# Altium PCB master.PcbDoc (part 3 of 10) (continued)
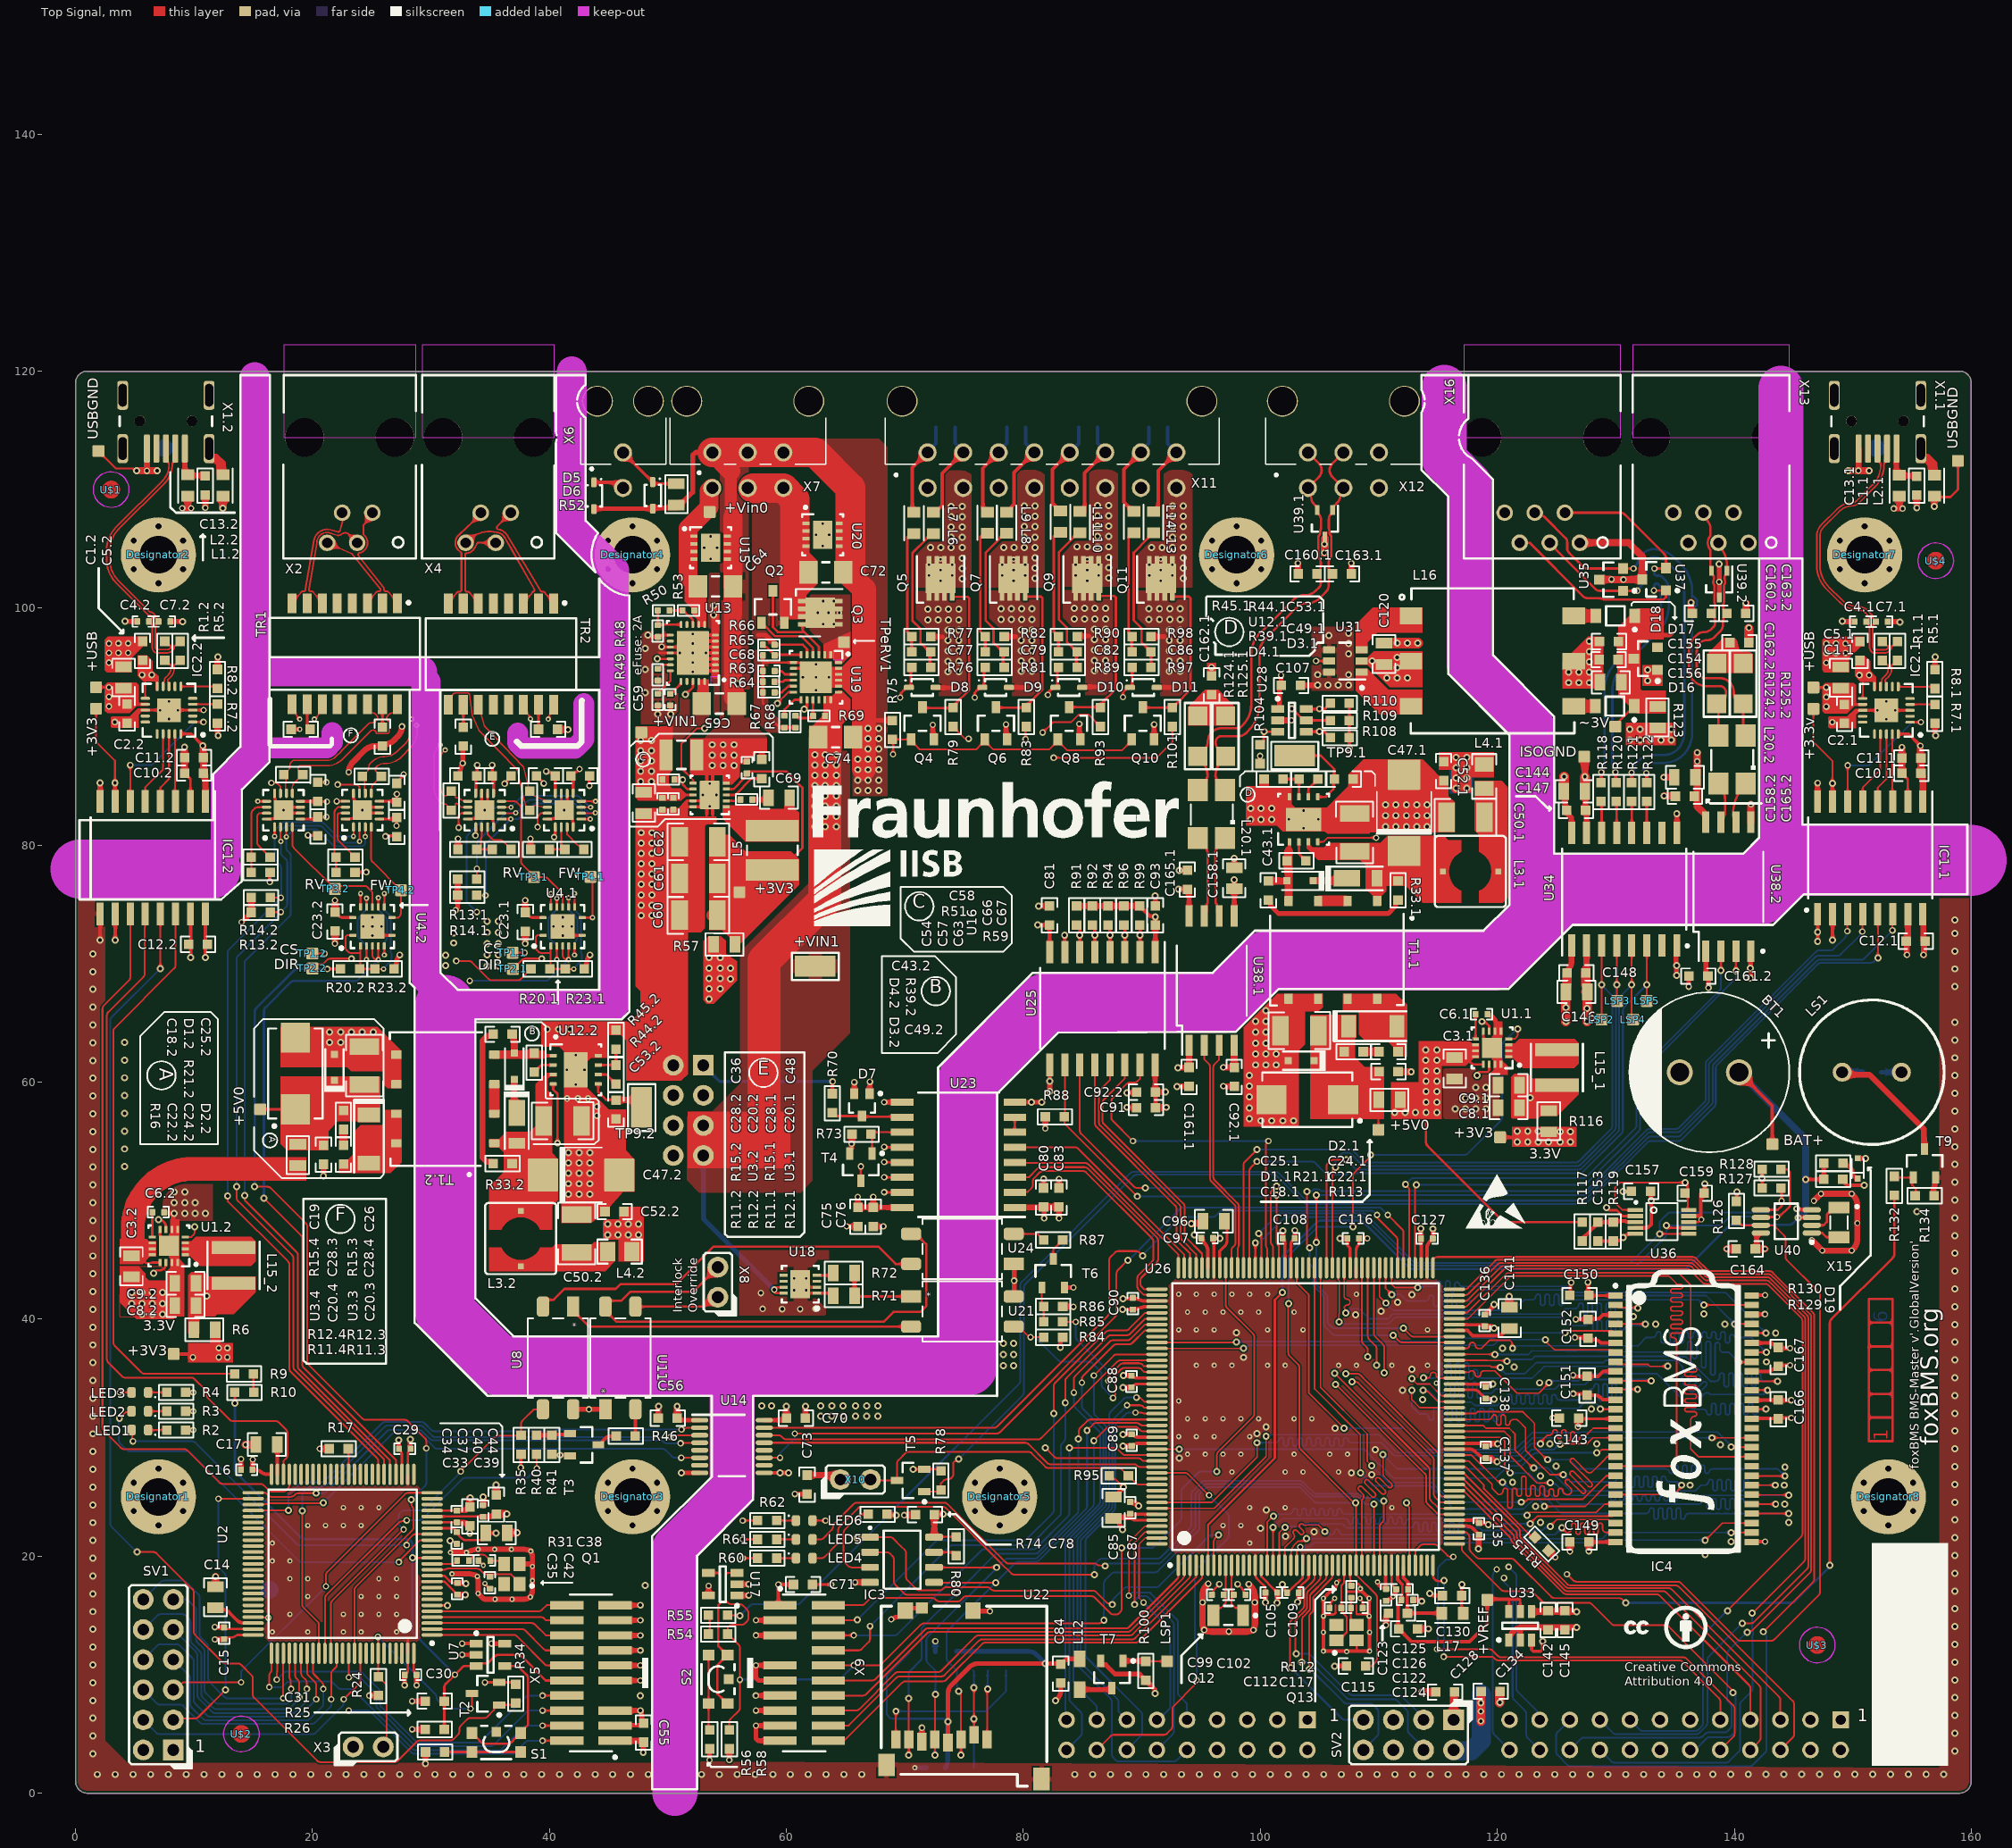
[diagram p0: Top Signal view]
## Part data (continued)
R40 R85 R132: library part gen_R_10R_0603, "SMD Resistor 10R 0603", Case EIA=0603, Case Metric=1608, Maximum Working Voltage=75V, Operating Temperature="-55°C - +155°C", PnP Package=R_0603, Power=0.1W, Supplier Part Number 1=2073361, Tolerance=1%, Automotive Qualified=False, Part Number=gen_R_10R_0603, PnP Value=10R, Resistance=10R, Series="E24, E96", Supplier 1=Farnell
R44.1 R44.2: library part CMP-0022036-4, "RES, 130 k, 1%, 0.1 W, AEC-Q200 Grade 0, 0603", Manufacturer=Vishay-Dale, Power_W=100mW, Supplier Part Number 1=541-130KHCT-ND, TempCo="100 ppm/C", Tolerance_%=1%, Value2=0.1W, Value_Code=130k, AEC Category=Q200, AEC Grade=0, AEC Qualified=Y, ComponentLink1Description="Datasheet link", ComponentLink1URL=http://www.vishay.com/docs/20035/dcrcwe3.pdf, CompType=Resistor, EIA_Code=E96, MountType=SMT, PackageReference=0603, PartNumber=CRCW0603130KFKEA, Res_ohm=130k, RoHS=E, SizeArea_mm2=1.28, SizeX_mm=1.6, SizeY_mm=0.8, SizeZ_mm=1, Supplier 1=Digi-Key, Supplier 2=Newark, Supplier 3=Mouser, Supplier Part Number 2=52K8127, Supplier Part Number 3=71-CRCW0603-130K-E3, Technology="Thick Film", Value1=1%, ValueDisplayed=130k, VDC_V=75V
R45.1 R45.2: library part CMP-0022030-3, "RES, 12.1 k, 1%, 0.1 W, 0603", Manufacturer=Vishay-Dale, Power_W=100mW, Supplier Part Number 1=541-12.1KHCT-ND, TempCo="100 ppm/C", Tolerance_%=1%, Value2=0.1W, Value_Code=12k1, ValueDisplayed=12.1k, AEC Category=Q200, AEC Qualified=?, ComponentLink1Description="Datasheet link", ComponentLink1URL=http://www.vishay.com/docs/20035/dcrcwe3.pdf, CompType=Resistor, EIA_Code=E96, LatestRevisionDate=2017-03-09, MountType=SMT, PackageReference=0603, PartNumber=CRCW060312K1FKEA, Published=2008-06-26, Publisher="Texas Instruments", Res_ohm=12.1k, RoHS=Y, SizeArea_mm2=1.28, SizeX_mm=1.6, SizeY_mm=0.8, SizeZ_mm=1, Supplier 1=Digi-Key, Supplier 2=Newark, Supplier 3=Mouser, Supplier Part Number 2=52K8105, Supplier Part Number 3=71-CRCW0603-12.1K-E3, Technology="Thick Film", U/M=EA, Value1=1%, VDC_V=75V
R46 R87: library part gen_R_430R_0603, "SMD Resistor 430R 0603", Case EIA=0603, Case Metric=1608, Maximum Working Voltage=75V, Operating Temperature="-55°C - +155°C", PnP Package=R_0603, Power=0.1W, Supplier Part Number 1=2074259, Tolerance=1%, Automotive Qualified=False, Part Number=gen_R_430R_0603, PnP Value=430R, Resistance=430R, Series=E24, Supplier 1=Farnell
R47: library part gen_R_10K7_0402, "SMD Resistor 10.7k 0402", Case EIA=0402, Case Metric=1005, Operating Temperature="-55°C - +155°C", Part Number=gen_R_10.7k_0402, PnP Package=R_0402, Automotive Qualified=False, PnP Value=10.7k
R49 R63: library part gen_R_26k1_0402, "SMD Resistor 26.1k 0402", Case EIA=0402, Case Metric=1005, Operating Temperature="-55°C - +155°C", Part Number=gen_R_26.1k_0402, PnP Package=R_0402, Automotive Qualified=False, PnP Value=26.1k
R50 R65: library part gen_R_49k9_0402, "SMD Resistor 49.9k 0402", Case EIA=0402, Case Metric=1005, Operating Temperature="-55°C - +155°C", PnP Package=R_0402, Automotive Qualified=False, Part Number=gen_R_49k9_0402, PnP Value=49k9
R51: "SMD Resistor 100k 0402", Case EIA=0402, Case Metric=1005, Operating Temperature="-55°C - +155°C", Part Number=gen_R_100k_0402, PnP Package=R_0402, Automotive Qualified=False, PnP Value=100k
R52: library part gen_R_330R_0603, "SMD Resistor 330R 0603", Case EIA=0805, Case Metric=2012, Maximum Working Voltage=75V, Operating Temperature="-55°C - +155°C", Part Number=gen_R_600R_0805, PnP Package=R_0603, Power=0.1W, Automotive Qualified=False, PnP Value=600R, Resistance=600R, Series=E24
R53 R66: library part gen_R_374k_0402, "SMD Resistor 374k 0402", Case EIA=0402, Case Metric=1005, Operating Temperature="-55°C - +155°C", PnP Package=R_0402, Automotive Qualified=False, Part Number=gen_R_374k_0402, PnP Value=374k
R59: "SMD Resistor 0R47 0402", Case EIA=0402, Case Metric=1005, Operating Temperature="-55°C - +155°C", Part Number=gen_R_0R47_0402, PnP Package=R_0402, PnP Value=0R47, Automotive Qualified=False
R67: library part gen_R_10K7_0402, "SMD Resistor 30k 0402", Case EIA=0402, Case Metric=1005, Operating Temperature="-55°C - +155°C", Part Number=gen_R_10.7k_0402, PnP Package=R_0402, PnP Value=10.7k, Automotive Qualified=False
R68: "SMD Resistor 49.9k 0402", Case EIA=0402, Case Metric=1005, Operating Temperature="-55°C - +155°C", Part Number=gen_R_49k9_0402, PnP Package=R_0402, PnP Value=49k9, Automotive Qualified=False
R69: "SMD Resistor 49.9k 0402", Case EIA=0402, Case Metric=1005, Operating Temperature="-55°C - +155°C", Part Number=gen_R_49k9_0402, PnP Package=R_0402, Automotive Qualified=False, PnP Value=49k9
R71 R72: library part gen_R_120R_0603, "SMD Resistor 120R 0603", Case EIA=0805, Case Metric=2012, Maximum Working Voltage=75V, Operating Temperature="-55°C - +155°C", PnP Package=R_0603, PnP Value=120R, Power=0.1W, Supplier Part Number 1=2073369, Tolerance=1%, Automotive Qualified=False, Part Number=gen_R_120R_0603, Series=E24, Supplier 1=Farnell
  R71: Resistance=40R
  R72: Resistance=20k
R76 R77 R81 R82 R89 R90 R97 R98: library part gen_R_47R_0603, "SMD Resistor 47R 0603", Case EIA=0603, Case Metric=1608, Maximum Working Voltage=75V, Operating Temperature="-55°C - +155°C", PnP Package=R_0603, Power=0.1W, Supplier Part Number 1=2303030, Tolerance=1%, Automotive Qualified=False, Part Number=gen_R_47R_0603, PnP Value=47R, Resistance=47R, Series=E24, Supplier 1=Farnell
R88 R91 R108: "SMD Resistor 100k 0603", Case EIA=0603, Case Metric=1608, Operating Temperature="-55°C - +155°C", Part Number=gen_R_100k_0603, PnP Package=R_0603, Automotive Qualified=False, PnP Value=100k
R100: library part gen_R_47k_0603, "SMD Resistor 47k 0603", Case EIA=0603, Case Metric=1608, Maximum Working Voltage=75V, Operating Temperature="-55°C - +155°C", PnP Package=R_0603, Power=0.1W, Supplier Part Number 1=2073510, Tolerance=1%, Part Number=gen_R_47k_0603, PnP Value=47k, Resistance=47k, Series=E24, Supplier 1=Farnell
R118 R120 R121 R122: "SMD Resistor 10R 0603", Case EIA=0603, Case Metric=1608, Maximum Working Voltage=75V, Operating Temperature="-55°C - +155°C", Part Number=gen_R_10R_0603, PnP Package=R_0603, Power=0.1W, Supplier Part Number 1=2073361, Tolerance=1%, Automotive Qualified=False, PnP Value=10R, Resistance=10R, Series="E24, E96", Supplier 1=Farnell
R124.1 R124.2 R125.1 R125.2: "RES, 60.4, 1%, 0.25 W, 1206", Manufacturer=Vishay-Dale, Power_W=0.25, Supplier Part Number 1=541-60.4FCT-ND, TempCo="100 ppm/C", Tolerance_%=1, Value1=1%, Value2=0.25W, Value_Code=60R4, ValueDisplayed=60.4, AEC Category=Q200, AEC Qualified=?, ComponentLink1Description="Datasheet link", ComponentLink1URL=http://www.vishay.com/docs/20035/dcrcwe3.pdf, CompType=Resistor, EIA_Code=E96, LatestRevisionDate=2017-03-07, MountType=SMT, PackageReference=1206, PartNumber=CRCW120660R4FKEA, Published=2008-06-26, Publisher="Texas Instruments", Res_ohm=60.4, RoHS=Y, SizeArea_mm2=5.12, SizeX_mm=3.2, SizeY_mm=1.6, SizeZ_mm=1.35, Supplier 1=Digi-Key, Supplier 2=Newark, Supplier 3=Mouser, Supplier Part Number 2=53K2546, Supplier Part Number 3=71-CRCW1206-60.4-E3, SymbolVersion=2009-05-29, Technology="Thick Film", U/M=EA, VDC_V=200
R127 R128: library part gen_R_4K7_0603, "SMD Resistor 4.7k 0603", Case EIA=0603, Case Metric=1608, Operating Temperature="-55°C - +155°C", Part Number=gen_R_4k7_0603, PnP Package=R_0603, Automotive Qualified=False, PnP Value=4k7
R129: library part gen_R_10M_0603, "SMD Resistor 10M 0603", Case EIA=0603, Case Metric=1608, Operating Temperature="-55°C - +155°C", Part Number=gen_R_10Meg_0603, PnP Package=R_0603, PnP Value=10Meg, Automotive Qualified=False
R130: library part gen_R_NF_0603, "SMD Resistor NF 0603", Case EIA=0603, Case Metric=1608, Operating Temperature="-55°C - +155°C", PnP Package=R_0603, Automotive Qualified=False, Part Number=gen_R_NF_0603, PnP Value=NF
R137: library part gen_R_10k_0603, "SMD Resistor 1k 0603", Case EIA=0603, Case Metric=1608, Maximum Working Voltage=75V, Operating Temperature="-55°C - +155°C", Part Number=gen_R_1k_0603, PnP Package=R_0603, Power=0.1W, Tolerance=1%, Automotive Qualified=False, PnP Value=1k, Resistance=1k, Series="E24, E96"
S1 S2: "Microminiature Tactile Switch", Manufacturer="CK Components", Operating Temperature="-40°C - +85°C", Supplier Part Number 1=1201424, Automotive Qualified=False, ComponentLink1Description=Datasheet, ComponentLink1URL=http://www.farnell.com/datasheets/1685525.pdf, Part Number=KMR221GLFS, Supplier 1=Farnell, Supplier 2=Digikey, Supplier 3=Mouser, Supplier Part Number 2=401-1426-1-ND, Supplier Part Number 3=611-KMR211G-LFS
SV1: library part samtec_TSW-106-07-G-D, "Board-To-Board Connector, Vertical, 2.54 mm, 12 Contacts, Header, TSW Series, Through Hole, 2 Rows", Manufacturer=Samtec, Operating Temperature="-55°C - +125°C", Rated Voltage="500V AC mated with SSW", Supplier Part Number 1=2025252, Automotive Qualified=False, Circuits=12, ComponentLink1Description=Datasheet, ComponentLink1URL=http://www.farnell.com/datasheets/1992055.pdf?_ga=2.196729640.569325269.1503285096-1413671594.1503025027, Part Name=TSW-106-07-G-D, Part Number=TSW-106-07-G-D, Supplier 1=Farnell
SV2: library part samtec_TSW-104-07-G-D, "Board-To-Board Connector, Vertical, 2.54 mm, 8 Contacts, Header, TSW Series, Through Hole, 2 Rows", Manufacturer=Samtec, Operating Temperature="-55°C - +125°C", Rated Voltage="500V AC mated with SSW", Supplier Part Number 1=2025250, Automotive Qualified=False, Circuits=8, ComponentLink1Description=Datasheet, ComponentLink1URL=http://www.farnell.com/datasheets/1992055.pdf, Part Name=TSW-104-07-G-D, Part Number=TSW-104-07-G-D, Supplier 1=Farnell, System=Connector
SV3: library part samtec_SLW-104-01-G-D, "Board-To-Board Connector, Dual, 2.54 mm, 8 Contacts, Receptacle, SLW Series, Through Hole, 2 Rows", Manufacturer=Samtec, Operating Temperature="-55°C - +125°C", Rated Current=5.2A, Rated Voltage="406VAC Voltage rating", Supplier Part Number 1=1668094, Automotive Qualified=False, Circuits=8, ComponentLink1Description=Datasheet, ComponentLink1URL=http://www.farnell.com/datasheets/1927699.pdf, Part Name=SLW-104-01-G-D, Part Number=SLW-104-01-G-D, Supplier 1=Farnell, System=Connector
T1.1 T1.2: library part CMP-0085524-1, "Transformer, 30 uH, SMD", Manufacturer=Coilcraft, ValueDisplayed=30µH, AEC Category=Q200, AEC Grade=N/A, AEC Qualified=N, ComponentLink1Description="Datasheet URL", ComponentLink1URL="https://sps16.itg.ti.com/sites/KMS/crossdivteams/altium/docs/ComponentDatasheets/YA8779-BL -- 5V single output.pdf", CompType=Transformer, DCR_ohm=0.014, Ind_H=30µH, LeakageInd_H=380nH, Lp=30, MountType=SMT, Ns1toNp=0.33, Ns2toNp=0.33, PackageReference=9.3x10.2mm, PartNumber=YA8779-BL, RoHS=Y, Rsec1_ohm=0.025, Rsec2_ohm=0.025, SizeArea_mm2=94.86, SizeAreaWB_mm2=137.86, SizeX_mm=9.3, SizeY_mm=10.2, SizeZ_mm=10.6
T2 T4 T5 T7: library part CMP-1099-00028-1, "P-Channel SIPMOS Small-Signal-Transistor, -60 V VDS, -0.17 A ID, -55 to 150 degC, PG-SOT23, Reel, Green", Manufacturer=Infineon, ComponentLink1Description="Manufacturer URL", ComponentLink1URL=http://www.infineon.com/, ComponentLink2Description=Datasheet, ComponentLink2URL=http://www.infineon.com/dgdl/BSS84P_Rev2.7%5B1%5D.pdf?folderId=db3a304314dca38901154a72e3951a65&fileId=db3a304330f68606013118ac7a9b4549, ComponentLink3Description="Package Specification", ComponentLink3URL=http://www.infineon.com/dgdl/SOT23-Package_Overview.pdf?folderId=db3a30431936bc4b0119532290053c66&fileId=db3a30431936bc4b0119533468123c85, DatasheetVersion="Rev. 2.7", Green=TRUE, Halogen-free=TRUE, ID (max)="-0.17Â A", IDpuls (max)="-0.68Â A", Mounting Technology="Surface Mount", PackageDescription="3-Pin Small Outline Transistor Package, 2.9 x 1.3 mm Body, 0.95 mm Pitch", PackageReference=PG-SOT23, PackageVersion=Apr-08, Packing=Reel, PartNumber=BSS84P, Pto t (max)="0.36Â W", QG="1Â nC", RDS (on) (max)="8,000Â mOhm", RDS (on) (max) (@4.5V)="12,000Â mOhm", Rth="350Â K/W", VDS (max)="-60Â V", VGS(th) (max)="-2Â V", VGS(th) (min)="-1Â V"
  T2: Part Number=BSS84P
T3 T6 T9: "MOSFET-Transistor, n-Kanal, 1.6 A, 100 V, 0.178 ohm, 10 V, 2.5 V", Manufacturer=Infineon, Maximum Continous Drain Current (25°C)=1.6A, Maximum Drain-Source Voltage=100V, Operating Temperature="-55°C - +150°C", Part Name=NMOS, Supplier Part Number 1=1783928, Automotive Qualified=False, ComponentLink1Description="Datasheet URL", ComponentLink1URL=http://www.farnell.com/datasheets/491501.pdf, Part Number=IRLML0100TRPBF, R_DS(on)=190m, Supplier 1=Farnell, Total Gate Charge=2.5nC
TP1.1 TP1.2 TP2.1 TP2.2 TP3.1 TP3.2 TP4.1 TP4.2: library part Testpoint_Square, "Testpoint, square", Part Number=Testpoint_Square
TP9.1 TP9.2: library part CMP-0055152-1, "Test Point, Miniature, SMT", Manufacturer=Keystone, PartNumber=5015, Supplier Part Number 1=36-5015TR-ND, CNHeader=FALSE, ComponentLink1Description="Datasheet URL", ComponentLink1URL=http://www.keyelco.com/userAssets/store/files/5015.PDF, CompType="Test Point", CT=TRUE, Green_EU RoHS=Passed, Green_EU RoHS-2=Incomplete, Green_Lifecycle=Active, Green_REACh=Passed, LatestRevisionDate=26/05/2017, MountType=SMT, PackageReference=Testpoint_Keystone_Miniature, Publisher="Texas Instruments", RoHS=Y, Supplier 1=Digi-Key, Supplier 2=Mouser, Supplier Part Number 2=534-5015
TR1 TR2: library part CMP-2000-05323-1, "10/100 Base-T Single Port Surface Mount Magnetic with Turns Ratio, -40 to 85 degC, 16-Pin Module, RoHS, Tube", Inductance=-, Manufacturer="Pulse Electronics", Package Description="16-Pin Surface Mount Device, Body 12.7 x 7.11 mm, Pitch 1.27 mm", Package Reference=MODULE-16, Standard Package=40, Category=Transformers, Datasheet URL=https://datasheet.ciiva.com/26929/hx1188nl-26929858.pdf, Datasheet Version="Rev. H325.Q, 09/2009", E.T.=-, Family=PulseTransformers, Height - Seated (Max)=6.22mm, Manufacturer URL=http://www.pulseelectronics.com/, Mounting Type=SurfaceMount, Online Catalog=10/100BASE-TSinglePort, Other Names=553-1340, Other Related Documents=PackagesFNLvs.NL, PCN Design/Specification=ThermoplasticHeaderDesign28/Jun/2013, PCN Other=HaloInjunctionRes1/Sep/2015, Series=-, Size / Dimension=12.70mmLx7.11mmW, Transformer Type=IsolationandDataInterface(Encapsulated), Turns Ratio - Primary=Secondary:1:1Transmitter,1:1Receiver
U2: library part CMP-0243-00030-2, "ARM Cortex-M4 32-bit MCU+FPU, 225 DMIPS, 2048 kB Flash, 256 kB Internal RAM, 82 I/Os, 100-pin LQFP, -40 to 85 degC, Tray", I/Os (High Current)=82, Manufacturer=STMicroelectronics, Operating Frequency(F) (Processor speed) (MHz)=180, Supply Voltage(Vcc) max (V)=3.6, Supply Voltage(Vcc) min (V)=1.8, ComponentLink1Description="Manufacturer URL", ComponentLink1URL=http://www.st.com/web/en/home.html, ComponentLink2Description=Datasheet, ComponentLink2URL=http://www.st.com/st-web-ui/static/active/en/resource/technical/document/data_brief/DM00053488.pdf, ComponentLink3Description="Package Specification", ComponentLink3URL=http://www.st.com/st-web-ui/static/active/en/resource/technical/document/data_brief/DM00071938.pdf, Core="ARM Cortex-M4", D/A Converter=2x12-bit, DatasheetVersion="Rev. 2", FLASH Size (Prog) (kB)=2048, Internal RAM Size (kB)=256, Mounting Technology="Surface Mount", PackageDescription="100-Pin Low Profile Quad Flat Package, 14 x 14 mm Body, 0.5 mm Pitch", PackageReference=LQFP100, PackageVersion="Rev. 1, 06/2013", Packing=Tray, Part Number=STM32F429VIT6, PartNumber=STM32F429VIT6
U3.1 U3.2 U3.3 U3.4: library part CMP-0937-00013-1, "IsoSPI Isolated Communication Interface, 2.7 to 5.5 V, -40 to 85 degC, 16-Pin QFN (UD-16EPV-AA), Pb-Free", IO Supply Current="1 uA Max.", IO Supply Voltage Range="1.7 to 5.5 V", Manufacturer="Linear Technology", Power Supply="2.7 to 5.5 V", Receiver Input Resistance="35 kOhm", Supply Current, IDLE State="2 uA", Temperature Range (degC)="-40 to 85", ComponentLink1Description="Manufacturer URL", ComponentLink1URL=http://www.linear.com/, ComponentLink2Description=Datasheet, ComponentLink2URL=http://cds.linear.com/docs/en/datasheet/6820fa.pdf, ComponentLink3Description="Package Specification", ComponentLink3URL=http://cds.linear.com/docs/en/packaging/QFN_16_05-08-1700.pdf, DatasheetVersion="Rev. A", Mounting Technology="Surface Mount", PackageDescription="16-Pin Quad Flat No-lead Package, Body 3 x 3 mm, Pitch 0.5 mm", PackageReference=UD-16EPV-AA, PackageVersion="Rev. A", PartNumber=LTC6820IUD#PBF, VBIAS="1.9 to 2.1 V"
U4.1 U4.2: library part CMP-1627-00656-3, "Quadruple 2-Input Positive-NAND Gate, RGY0014A, LARGE T&R", F @ Nom Voltage(Max)(Mhz)=150, Generic Part Number=SN74LVC00A, ICC @ Nom Voltage(Max)(mA)=0.04, Manufacturer="Texas Instruments", Operating Temperature Range(C)="-40 to 125", Rating=Catalog, tpd @ Nom Voltage(Max)(ns)=12.5,6.4,5.1,4.3, Voltage(Nom)(V)=1.8,2.5,2.7,3.3, Code_JEDEC=MO-241, DatasheetVersion=SCAS279Q, Input Type=TTL, Output Drive (IOL/IOH)(Max)(mA)=24/-24, Output Type=TTL, PackageReference=RGY0014A, Schmitt Trigger=No, Technology Family=LVC, VCC(Max)(V)=3.6, VCC(Min)(V)=1.65
U7 U17: library part CMP-0063-01088-2, "5-Pin Microprocessor Reset Circuits, 5-pin SOT-23, Pb-Free", Manufacturer="National Semiconductor", PackageTopMarking=R53B*XTT, PowerWise=N, ComponentLink1Description="LM3724 Datasheet", ComponentLink1URL=http://www.national.com/ds/LM/LM3724.pdf, ComponentLink2Description="LM3724 Web Page", ComponentLink2URL=http://www.national.com/pf/LM/LM3724.html, ComponentLink3Description="MF05A Package Page", ComponentLink3URL=http://www.national.com/packaging/folders/mf05a.html, CompType=MiscPower, DatasheetVersion=Jul-2007, PackageDescription="Molded SOT-23, .115 x .063 x .040 in Body, 5 Lead, .0375 in Pitch", PackageReference=MF05A, PackageVersion="revD, Aug-2008", PinCount=5, RevisionNote="Component URLs added", RoHS=Y
U8 U21 U24: "PhotoMOS GU 1 Form A, 60 V Load Voltage, 1.1 A Continuous Load Current, -40 to 85 degC, 4-Pin DIP(SMT), Tube, RoHS", Continuous Load Current="1.1 A", Load Voltage="60 V", Manufacturer=Panasonic, On Resistance (Typ)="0.34 Ohm", ComponentLink1Description="Manufacturer URL", ComponentLink1URL=http://www3.panasonic.biz/ac/ae/index.jsp, ComponentLink2Description=Datasheet, ComponentLink2URL=http://www3.panasonic.biz/ac/e_download/control/relay/photomos/catalog/semi_eng_gu1a_aqy21_g.pdf, ComponentLink3Description="Package Specification", ComponentLink3URL=http://www3.panasonic.biz/ac/e_download/control/relay/photomos/catalog/semi_eng_dimensions.pdf?f_cd=401560, DatasheetVersion=201404-T, Mounting Technology="Surface Mount", PackageDescription="4-Pin Surface Mount Terminal Package, Body 4.78 x 6.4 mm, Pitch 2.54mm", PackageReference=DIP4(SMT), PackageVersion="ASCTB67E, 04/2014", Packing=Tube, Part Number=AQY212GHA, PartNumber=AQY212GHA, Pb-Free=True, RoHS=True, Series="PhotoMOS GU 1 Form A"
U11: "PhotoMOS GU 1 Form A, 60 V Load Voltage, 1.1 A Continuous Load Current, -40 to 85 degC, 4-Pin DIP(SMT), Tube, RoHS", Continuous Load Current="1.1 A", Load Voltage="60 V", Manufacturer=Panasonic, On Resistance (Typ)="0.34 Ohm", Supplier Part Number 1=255-2681-ND, ComponentLink1Description="Manufacturer URL", ComponentLink1URL=http://www3.panasonic.biz/ac/ae/index.jsp, ComponentLink2Description=Datasheet, ComponentLink2URL=http://www3.panasonic.biz/ac/e_download/control/relay/photomos/catalog/semi_eng_gu1a_aqy21_g.pdf, ComponentLink3Description="Package Specification", ComponentLink3URL=http://www3.panasonic.biz/ac/e_download/control/relay/photomos/catalog/semi_eng_dimensions.pdf?f_cd=401560, DatasheetVersion=201404-T, Mounting Technology="Surface Mount", PackageDescription="4-Pin Surface Mount Terminal Package, Body 4.78 x 6.4 mm, Pitch 2.54mm", PackageReference=DIP4(SMT), PackageVersion="ASCTB67E, 04/2014", Packing=Tube, Part Number=AQY212GHA, PartNumber=AQY212GHA, Pb-Free=True, RoHS=True, Series="PhotoMOS GU 1 Form A", Supplier 1=Digi-Key
U12.1 U12.2: library part CMP-0078633-2, "70-V PSR Flyback Converter With 100-V, 1.2-A Power Switch and Ultra-Low IQ, NGU0008C (WSON-8)", Alternate Manufacturer="Texas Instruments", Alternate PartNumber=LM5180QNGUTQ1, AEC Category=Q200, AEC Qualified=Y, ComponentLink1Description="Datasheet Link", ComponentLink1URL=http://www.ti.com/lit/ds/symlink/lm5180-q1.pdf, ComponentLink2Description="Product Folder", ComponentLink2URL=http://www.ti.com/product/lm5180-q1, CompType=IC, Manufacturer="Texas Instruments", MountType=SMT, PackageDescription=WSON-8, PackageReference=NGU0008C, PartNumber=LM5180QNGURQ1, SizeArea_mm2=16, SizeAreaWB_mm2=25, SizeX_mm=4, SizeY_mm=4, SizeZ_mm=0.8
U13: "37V Clamped input protection", Manufacturer="Texas Instruments", Supplier Part Number 1=296-51900-1-ND, Part Number=TPS26602RHFR, PartNumber=TPS26602RHFR, RefDes=RefDes, Supplier 1=Digi-Key, TYPE=TYPE
U14: "Imported", Manufacturer="Texas Instruments", PartNumber=ISO7760DBQR, RefDes=RefDes, TYPE=TYPE
U15 U20: library part TVS3301DRVR, "TVS3301 33-V Bidirectional Flat-Clamp Surge Protection Device", Manufacturer="Texas Instruments", Supplier Part Number 1=296-53063-1-ND, Part Number=TVS3301DRBR, RefDes=RefDes, Supplier 1=Digi-Key, TYPE=TYPE
U18: library part CMP-0472-00014-1, "200 mA Two-Terminal Programmable Current Source, 0.3 mA Isupply, 8-pin SON (DD-8), -40 to 125 degC, Pb-Free, Tape and Reel", Extended Temp="E, I, MP", Manufacturer="Linear Technology", Output Current Range="0.5 mA to 200 mA", Code_JEDEC=MO-229, ComponentLink1Description="Manufacturer URL", ComponentLink1URL=http://www.linear.com/, ComponentLink2Description=Datasheet, ComponentLink2URL=http://cds.linear.com/docs/en/datasheet/3092fb.pdf, ComponentLink3Description="Package Specification", ComponentLink3URL=http://cds.linear.com/docs/en/packaging/DFN_8_05-08-1698.pdf, DatasheetVersion="Rev. B", Initial Accuracy(%)=1, Isupply(mA)=0.3, Mounting Technology="Surface Mount", PackageDescription="8-Pin Plastic DFN, Body 3 x 3 mm, Pitch 0.5 mm", PackageReference=DD-8, PackageVersion=Jun-10, Packing="Tape and Reel", PartId=1, PartNumber=LT3092EDD#TRPBF, RoHS=TRUE, Vin Max(V)=40, Vin Min(V)=1.2
U19: "Imported", Manufacturer="Texas Instruments", PartNumber=TPS26630RGER, RefDes=RefDes, TYPE=TYPE
U22: library part molex_47352-1001, "1.10mm Pitch Memorycard Card Connector, Push-Push Type, with VSS (Supply Voltage Ground) Detect Switch, Lead-Free", Manufacturer=Molex, Operating Temperature="-20°C - +85°C", Part Name=47352-1001, Rated Current=0.5A, Rated Voltage="100V DC", Supplier Part Number 1=2424133, Automotive Qualified=False, Circuits=10, ComponentLink1Description=Drawing, ComponentLink1URL=http://www.molex.com/pdm_docs/sd/473521001_sd.pdf, Part Number=molex_47352-1001, Supplier 1=Farnell
U26: library part MC-ARM-STM32F4X9-SQ176, "ARM Cortex-M4 32-bit MCU+FPU, 225 DMIPS, 2048 kB Flash, 256 kB Internal RAM, 140 I/Os, 176-pin LQFP, -40 to 85 degC, Tray", I/Os (High Current)=140, Manufacturer=STMicroelectronics, Operating Frequency(F) (Processor speed) (MHz)=180, Supply Voltage(Vcc) max (V)=3.6, Supply Voltage(Vcc) min (V)=1.8, ComponentLink1Description="Manufacturer URL", ComponentLink1URL=http://www.st.com/web/en/home.html, ComponentLink2Description=Datasheet, ComponentLink2URL=http://www.st.com/st-web-ui/static/active/en/resource/technical/document/data_brief/DM00053488.pdf, ComponentLink3Description="Package Specification", ComponentLink3URL=http://www.st.com/st-web-ui/static/active/en/resource/technical/document/datasheet/DM00035129.pdf, Core="ARM Cortex-M4", D/A Converter=2x12-bit, DatasheetVersion="Rev. 2", FLASH Size (Prog) (kB)=2048, Internal RAM Size (kB)=256, Mounting Technology="Surface Mount", PackageDescription="176-Pin Low Profile Quad Flat Package, 24 x 24 mm Body, 0.5 mm Pitch", PackageReference=LQFP176, PackageVersion="Rev. 4, 06/2013", Packing=Tray, Part Number=STM32F429IIT6, PartNumber=STM32F429IIT6
U28: library part CMP-0063-01010-1, "Power Sequencer, 6-pin SOT-23, Pb-Free", Manufacturer="National Semiconductor", PackageTopMarking=F21A*XTT, PowerWise=N, Code_IPC=SOT26A-6, Code_JEDEC=MO-178-AB, CompType=MiscPower, DatasheetVersion=May-2008, PackageDescription="Molded SOT-23, .115 x .063 x .040in Body, 6 Lead, .0375in in Pitch", PackageReference=MF06A, PackageVersion="revC, Sep-2005", PinCount=6, RoHS=Y
U31: "Imported", Alternate_PartNumber=SN6505ADBVT, Manufacturer="Texas Instruments", CompType=IC, MountType=SMT, PackageReference=DBV0006A, PartNumber=SN6505ADBVR, PIN_COUNT=6, RefDes=RefDes, TYPE=TYPE
U33: library part CMP-0784-00366-1, "Micropower, High Accuracy Voltage Reference, 2.5 V Output, 2.7 to 5.5 V Supply, Industrial, 6-pin SOT23 (RJ-6), Reel", Manufacturer="Analog Devices", Operating Temp Range="-40 to 125 degC", Code_JEDEC=MO-178-AB, ComponentLink1Description="Manufacturer URL", ComponentLink1URL=http://www.analog.com/en/index.html, ComponentLink2Description=Datasheet, ComponentLink2URL=http://www.analog.com/static/imported-files/data_sheets/ADR3412_ADR3420_ADR3425_ADR3430_ADR3433_ADR3440_ADR3450.pdf, ComponentLink3Description="Package Specification", ComponentLink3URL=http://www.analog.com/static/imported-files/packages/PKG_PDF/SOT-23(RJ)/RJ_6.pdf, ComponentLink4Description="URL Link1", ComponentLink4URL="Product URL:http://www.analog.com/en/special-linear-functions/voltage-references/adr3425/products/product.html", DatasheetVersion="Rev. B", Max V Supply (V)=5.5, Min V Supply (V)=2.7, Mounting Technology="Surface Mount", PackageDescription="6-Pin Small Outline Transistor Package, Body 2.9 x 1.6 mm, Pitch 0.95 mm", PackageReference=RJ-6, PackageVersion="121608-A, 12/2008", Packing=Reel, Part Number=ADR3425ARJZ-R2, PartNumber=ADR3425ARJZ-R2, Ref Out TC (ppm/C)=2.5, Vout=2.5V
U34: "5-kVrms isolated RS-485/RS-422 transceiver with robust EMC", Manufacturer="Texas Instruments", Part Number=ISO1432DWR, PartNumber=ISO1432DWR, RefDes=RefDes, TYPE=TYPE
U35 U37: library part CMP-2000-07553-1, "TVS Array - Asymmetrical Data Line Protector, 600 W, 7.5 V, -55 to 150 degC, 3-Pin SOT23, RoHS, Tape and Reel", Capacitance=75pF, Case\/Package=SOT-23, Clamping Voltage=17V, Current=20uA, Manufacturer="Protek Devices", Max Operating Temperature=150degC, Min Breakdown Voltage=7.5V, Min Operating Temperature=-55degC, Package Description="3-Pin Small Outline Transistor, Body 2.92 x 1.3 mm, Pitch 0.94 mm", Package Reference=SOT23-3, Power Dissipation=600W, Voltage=12V, Working Voltage=7V, Datasheet URL=www.protekdevices.com/xyz/documents/datasheets/psm712.pdf, Datasheet Version=10/2013, Depth=1.4mm, Direction=Bidirectional, Element Configuration=Dual, Lead Free=LeadFree, Leakage Current=20uA, Length=3.04mm, Manufacturer URL=http://www.protekdevices.com/, Mounting Technology=SurfaceMount, Number of Pins=3, Packaging=TapeandReel, Radiation Hardening=No, RoHSCompliant=True
U39.1 U39.2: "ESD Protection Array for AC Signal Data Interface, 2 Channels, -40 to +85 degC, 3-pin SC70 (DCK), Green (RoHS & no Sb/Br)", Alternate Manufacturer="Texas Instruments", Alternate PartNumber=Equivalent, Breakdown Voltage(Min)(V)=+/-14, IO Capacitance(Typ)(pF)=15, IO Leakage Current(nA)=50, Supplier Part Number 1=296-25281-2-ND, ComponentLink1Description=Datasheet, ComponentLink1URL=http://www.ti.com/general/docs/lit/getliterature.tsp?genericPartNumber=TPD2E007&fileType=pdf, ComponentLink2Description="URL Link1", ComponentLink2URL=SamplesURL:http://www.ti.com/product/tpd2e007#samples, DatasheetVersion=SLVS796E, Eco-Plan="Green (RoHS & no Sb/Br)", IEC 61000-4-2 Air-Gap(+/- kV)=15, IEC 61000-4-2 Contact(+/- kV)=8, Manufacturer="Texas Instruments", MountType=SMT, PackageDescription="3-Pin Plastic Small-Outline Package, 0.65 mm Pitch, 2.1 mm Lead Span", PackageReference=DCK0003A, PackageVersion="revG, Jan-2007", PartNumber=TPD2E007DCKR, SubFamily="ESD Solution", Supplier 1=Digi-Key, Supplier 2=Digi-Key, Supplier 3=Digi-Key, Supplier 4=Farnell, Supplier 5=Newark, Supplier 6=Newark, Supplier 7=Mouser, Supplier Part Number 2=296-25281-1-ND, Supplier Part Number 3=296-25281-6-ND, Supplier Part Number 4=2120465, Supplier Part Number 5=94T5089, Supplier Part Number 6=55R7554, Supplier Part Number 7=595-TPD2E007DCKR
U$1 U$2 U$3 U$4 U$5 U$6 U$7 U$8: library part FIDUCIAL_1MM, PackageName=FIDUCIAL_1MM
X1.1 X1.2: library part MOLX-67503-1020, "USB, MINI, SMD, RA KME04-USBMU03A01", Manufacturer=Molex, ComponentLink1Description="Manufacturer URL", ComponentLink1URL=http://www.molex.com/, ComponentLink2Description=Datasheet, ComponentLink2URL=http://www.molex.com/pdm_docs/sd/675031020_sd.pdf, DatasheetVersion="Rev F, 06/2009", Mounting Technology="Surface Mount", PackageDescription="Mini USB Connector, TH, Righer Angle", PackageReference=54819-0589, PartNumber=54819-0589, Terminal Pitch="0.8 mm"
X2 X4: "Connector", Manufacturer_Name=Molex, Mouser Part Number=538-95501-2441, RS Part Number=2400913, Allied_Number=70372436, Allied Price/Stock=http://www.alliedelec.com/molex-incorporated-95501-2441/70372436/, Datasheet Link=http://www.molex.com/webdocs/datasheets/pdf/en-us/0955012441_MODULAR_JACKS_PLUG.pdf, Manufacturer_Part_Number=95501-2441, Mouser Price/Stock=https://www.mouser.com/Search/Refine.aspx?Keyword=538-95501-2441, RS Price/Stock=https://uk.rs-online.com/web/p/products/2400913
X3 X8 X10: "Board-To-Board Connector, Vertical, 2.54 mm, 2 Contacts, Header, TSW Series, Through Hole, 1 Row", Manufacturer=Samtec, Operating Temperature="-55°C - +125°C", Part Name=TSW-102-07-G-S, Supplier Part Number 1=2505044, Automotive Qualified=False, Circuits=2, ComponentLink1Description=Datasheet, ComponentLink1URL=http://www.farnell.com/datasheets/1796313.pdf, Part Number=samtec_TSW-102-07-G-S, Supplier 1=Farnell
X5 X9: library part samtec_FTSH-110-01-L-DV-007-K-P, "Board-To-Board Connector, ARM Cortex Debug Header 20 Pin", Manufacturer=Samtec, Operating Temperature="-55°C - +125°C", Supplier Part Number 1=SAM11268-ND, Automotive Qualified=False, Circuits=20, Part Name=FTSH-110-01-L-DV-007-K-P, Part Number=samtec_FTSH-110-01-L-DV-007-K-P, Supplier 1=Digikey, Supplier 2=Avnet, Supplier Part Number 2=FTSH-110-01-L-DV-007-K-P
X6: library part molex_microfit_3_01x2_THT, "Micro-Fit 3.0 Right Angle Header, 3.00mm Pitch, Dual Row, 2 Circuits, with Snap-in Plastic Peg PCB Lock, Tin, Glow Wire Capable, Black, 43045-0200", Manufacturer=Molex, Operating Temperature="-40°C - +105°C", Part Name=MicroFit, Rated Current=8.5A, Rated Voltage=600V, Supplier Part Number 1=WM2672-ND, Automotive Qualified=False, Circuits=2, Part Number=molex_microfit_3_01x2_THT, Supplier 1=Digi-Key, Supplier 2=Digi-Key, Supplier Part Number 2=WM2672-ND
X7 X12: "Micro-Fit 3.0 Right Angle Header, 3.00mm Pitch, Dual Row, 6 Circuits, with Snap-in Plastic Peg PCB Lock, Tin, Glow Wire Capable, Black, 43045-0621", Manufacturer_Name=Molex, Mouser Part Number=538-43045-0621, Part Name=MicroFit, RS Part Number=6700380, Supplier Part Number 1=WM2674-ND, Circuits=6, Datasheet Link=http://www.molex.com/webdocs/datasheets/pdf/en-us//0430450621_PCB_HEADERS.pdf, Height=8mm, Manufacturer_Part_Number=43045-0621, Mouser Price/Stock=https://www.mouser.com/Search/Refine.aspx?Keyword=538-43045-0621, RS Price/Stock=https://uk.rs-online.com/web/p/products/6700380, Supplier 1=Digi-Key, Supplier 2=Digi-Key, Supplier Part Number 2=WM2674-ND
X11: "Micro-Fit 3.0 Right Angle Header, 3.00mm Pitch, Dual Row, 16 Circuits, with Snap-in Plastic Peg PCB Lock, Tin, Glow Wire Capable, Black, 43045-1600", Manufacturer=Molex, Operating Temperature="-40°C - +105°C", Part Name=MicroFit, Part Number=molex_microfit_3_08x2_THT, Rated Current=8.5A, Rated Voltage=600V, Supplier Part Number 1=WM14573-ND, Automotive Qualified=False, Circuits=16, Supplier 1=Digi-Key, Supplier 2=Digi-Key, Supplier Part Number 2=WM14573-ND
X13 X16: library part 95501-2661, "Jack Modular Connector 6p6c (RJ9, RJ10, RJ22) 90° Angle (Right) Unshielded Cat3", Manufacturer_Name=Molex, Manufacturer_Part_Number=95501-2441, Mouser Part Number=538-95501-2441, RS Part Number=2400913, Supplier Part Number 1=WM5568-ND, Allied Price/Stock=http://www.alliedelec.com/molex-incorporated-95501-2441/70372436/, Allied_Number=70372436, Datasheet Link=http://www.molex.com/webdocs/datasheets/pdf/en-us/0955012441_MODULAR_JACKS_PLUG.pdf, Mouser Price/Stock=https://www.mouser.com/Search/Refine.aspx?Keyword=538-95501-2441, RS Price/Stock=https://uk.rs-online.com/web/p/products/2400913, Supplier 1=Digi-Key, Supplier 2=Digi-Key, Supplier Part Number 2=WM5568-ND
X15: library part CRYSTAL1, DBDesc="32.768kHz ABS07-120, 20ppm, 6pF load, 60k ESR, 3.2x1.5mm crystal, RoHS compliant", ID=22914
U36: DBDesc="Linear LTC2990IMS quad I2C voltage, current and temperature monitor, -40°C to +85°C, 10-pin MSOP, RoHS compliant", ID=19355, Part Number=LTC2990
U40: DBDesc="DS1339U-33+ RTC I2C w/alarm USOP-8, RoHS compliant", ID=11376, Part Number=DS1339-U33

## Via types
v1: diameter 0.6, hole 0.3, Top Signal to Bottom Signal, 1012 vias
v2: diameter 0.55, hole 0.3, Top Signal to Bottom Signal, 235 vias
v3: diameter 0.45, hole 0.2, Top Signal to Bottom Signal, 178 vias
v4: diameter 0.55, hole 0.3, Top Signal to Bottom Signal, tented both sides, 112 vias
v5: diameter 0.5, hole 0.2, Top Signal to Bottom Signal, 50 vias
v6: diameter 0.45, hole 0.2, Top Signal to Bottom Signal, tented top, 15 vias
v7: diameter 0.5, hole 0.3, Top Signal to Bottom Signal, tented both sides, 12 vias
v8: diameter 0.6, hole 0.3, Top Signal to Bottom Signal, tented both sides, 2 vias
v9: diameter 0.5, hole 0.3, Top Signal to Bottom Signal, 1 vias

## Nets (pads, with @x,y where several pads share a name; then routed paths per layer and width w, separated by ;. In a path a pad name is that pad's centre, name@x,y a point inside that pad or via, vN(x,y) a via of type N, cw(c..) or ccw(c..) an arc to the next point about the centre after c; other vN are vias at no path point)
+3-4.5v_out: C154.2 C155.2 C156.2 D16.1 D17.1 D18.3 R123.2 ~3V.1 | length 18
  Top Signal w0.2: ~3V.1@129.961,90 cw(c130.29,90) 130.057,90.232 D16.1@131.552,91.728
  Top Signal w0.4: 131.8,97.875 133.393,97.875 cw(c133.393,97.363) 133.755,97.725 134.356,97.725 ccw(c134.356,98.237) 134.636,97.808 134.719,97.875 ; 133.366,92.56 133.45,92.56 133.476,92.534
  Top Signal w0.5: C154.2@130.195,95.654 C154.2@130.411,95.654 ; C155.2@130.212,97.189 131.596,98.573 D17.1@131.596,99.348 ; C155.2@130.411,97.172 C154.2@130.411,95.654 ; D18.3@131.518,95.735 131.437,95.654 C154.2@130.411,95.654 ; D16.1@131.552,91.728 131.489,91.791 131.489,92.79 130.861,93.418 130.611,93.418 130.411,93.618 C154.2@130.411,95.654 ; D16.1@131.552,91.741 D16.1@131.757,91.946
  Top Signal w0.9: D16.1@131.552,91.741 D16.1@131.552,91.728 131.552,91.689 131.557,91.684 R123.2@133.518,91.684